# Altium PCB PCB_SAMARUC_7.PcbDoc (part 2 of 3)
Units mil, origin at the board's own origin, x right, y up, seen from the top; angles counter-clockwise.
Board outline 3000 x 2475 mil, 6 copper layers (Top (S1), GND1, PWR, S2, GND2, Bottom (S3)), stack 62.312 mil thick; 203 components, 120 nets, 721 pads, 351 vias.
Unrouted connection lines stored in the file: 139.
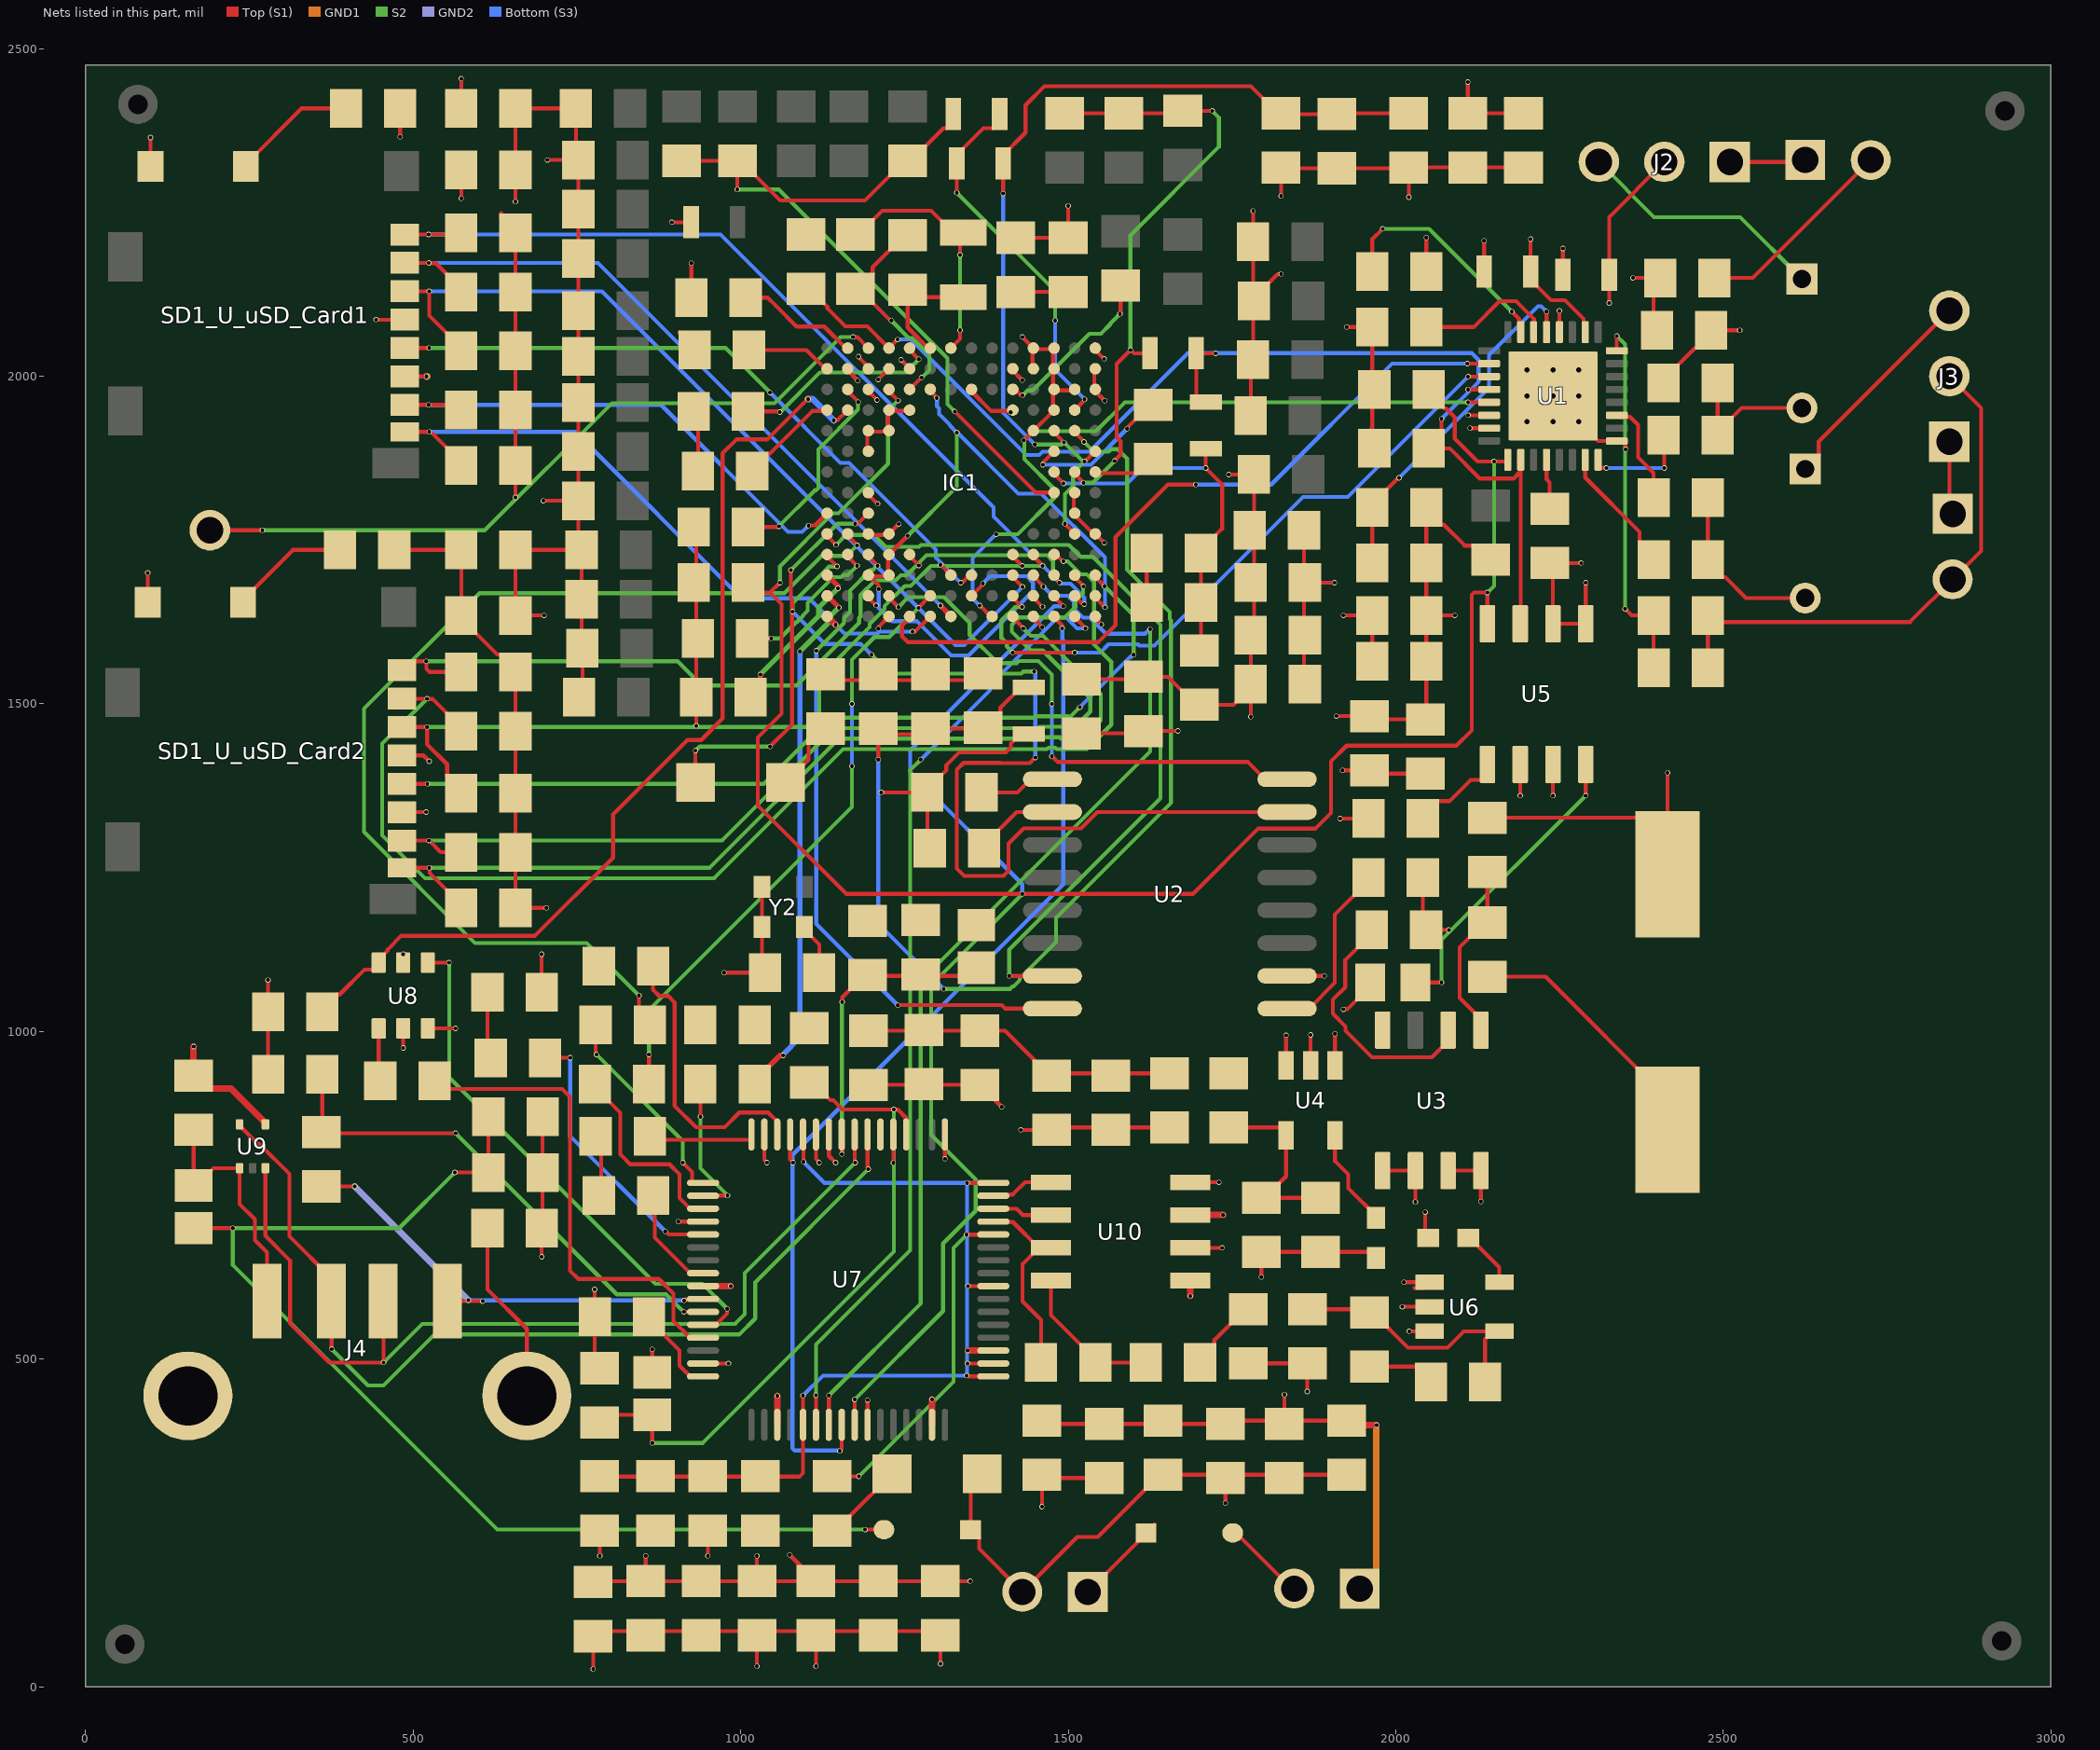
[diagram p6: the nets of this part, all layers, seen from the top]

## Via types
v1: diameter 8, hole 6, Top (S1) to S2, 114 vias
v2: diameter 8, hole 6, Top (S1) to GND1, 79 vias
v3: diameter 8, hole 6, Top (S1) to PWR, 68 vias
v4: diameter 8, hole 6, Top (S1) to Bottom (S3), 49 vias
v5: diameter 8, hole 6, S2 to Bottom (S3), 22 vias
v6: diameter 8, hole 6, PWR to Bottom (S3), 9 vias
v7: diameter 19.68, hole 7.87, Top (S1) to Bottom (S3), 9 vias
v8: diameter 8, hole 6, GND2 to Bottom (S3), 1 vias

## Nets (pads, with @x,y where several pads share a name; then routed paths per layer and width w, separated by ;. In a path a pad name is that pad's centre, name@x,y a point inside that pad or via, vN(x,y) a via of type N, cw(c..) or ccw(c..) an arc to the next point about the centre after c; other vN are vias at no path point) (continued)
GND: C3.1 C4.1 C7.1 C8.1 C11.1 C12_U_uSD_Card1.1 C12_U_uSD_Card2.1 C13_U_uSD_Card1.1 C13_U_uSD_Card2.1 C14.1 C15.1 C16.1 C17.1 C18.2 C19.1 C20.1 C22.1 C23.1 C24.1 C25.1 C26.1 C28.1 C29.1 C32.1 C33.1 C34.1 C37.1 C38.1 C39.1 C40.1 C41.1 C42.1 C47.1 C48.1 C49.1 C50.1 C51.1 C52.1 C53.1 C54.1 C55.1 C56.1 C57.1 C61.1 C62.1 C63.1 C64.1 C65.1 C66.1 C67.1 C68.1 C69.1 C70.1 C71.1 C72.1 C73.1 C74.1 C75.1 C76.1 C77.1 C78.1 C79.1 C80.1 C84.1 C85.1 C86.1 C87.1 C88.1 C89.1 C90.1 C91.1 C92.1 C93.1 C94.1 C95.1 C96.1 C97.1 C98.1 C99.1 C100.1 C101.1 C102.1 C103.1 FB2.1 FB8.2 IC1.A11 IC1.A12 IC1.A14 IC1.B2 IC1.B3 IC1.B11 IC1.B12 IC1.C8 IC1.C12 IC1.C13 IC1.D4 IC1.D5 IC1.D10 IC1.D12 IC1.E3 IC1.E4 IC1.E11 IC1.F3 IC1.H3 IC1.H13 IC1.J13 IC1.K3 IC1.K4 IC1.K14 IC1.L5 IC1.L10 IC1.M7 IC1.P1 IC1.P14 J4.4 P1.1 R6.1 R7.1 R8.1 R18.2 R22.2 R24.2 R26.1 R27.1 R30.1 R35.2 R43.2 R48.2 R51.2 SD1_U_uSD_Card1.6 SD1_U_uSD_Card1.10 SD1_U_uSD_Card2.6 SD1_U_uSD_Card2.10 U1.7 U1.28 U2.10 U3.4 U4.2 U5.1 U5.2 U5.6 U6.2 U7.1 U7.5 U7.10 U7.11 U7.13 U7.15 U7.25 U7.35 U7.47 U7.51 U8.2 U9.4 U10.5 U10.7 Y2.2 | length 10010.7
  Top (S1) w6: SD1_U_uSD_Card2.10@95,1655 v2(95,1700) ; SD1_U_uSD_Card1.10@99.33,2320 v2(99.33,2364.33) ; SD1_U_uSD_Card2.6@482.8,1334.72 483.07,1335 v2(520,1335) ; v2(485,975) U8.2@485,1004.8 ; SD1_U_uSD_Card1.6@487.13,1999.72 v2(520.59,1999.72) ; J4.4@552.8,588.62 v2(606.38,588.62) ; v2(656.34,2266.34) C13_U_uSD_Card1.1@656.34,2315 C12_U_uSD_Card1.1@656.34,2408.72 C64.1@748.66,2408.72 748.66,2333.66 C65.1@752.32,2330 ; v2(696.34,656.34) C90.1@696.34,700 697.68,701.34 C88.1@697.68,785 C87.1@697.68,870 ; R43.2@696.34,1060 v2(696.34,1117.94) ; v2(698.82,1810) C61.1@752.32,1810 ; v2(700,1635) C12_U_uSD_Card2.1@656.34,1635 C13_U_uSD_Card2.1@656.34,1735 C50.1@757.32,1735 ; v2(705,2330) C65.1@752.32,2330 ; C52.1@753.66,1510 758.66,1515 C51.1@758.66,1585 757.32,1586.34 C54.1@757.32,1660 C50.1@757.32,1735 ; C91.1@760.08,161.34 C85.1@855,161.34 ; v2(777.32,606.47) 777.32,494.02 C100.1@785,486.34 ; v2(785,200) C92.1@785,238.66 ; v2(855,200) C85.1@855,161.34 ; v2(895,2235) FB8.2@924.57,2235 ; R26.1@925,2120 v2(925,2172.6) ; R30.1@928.66,1946.34 935,1940 R27.1@935,1855 ; R51.2@938.66,1010 R51.2@938.66,1014.92 ; v2(950,200) C94.1@950,238.66 ; v2(1025,200) C99.1@1025,161.34 ; C95.1@1030,238.66 C95.1@1038.34,230.33 ; U7.15@1036.26,842.91 1036.26,804.28 1040,800.54 v2(1040,800) ; v2(1075,201.34) C98.1@1115,161.34 ; U7.13@1075.63,842.91 1075.63,804.91 1080,800.54 v2(1080,800) ; C101.1@1083.39,983.39 C101.1@1105,1005 ; Y2.2@1097.48,1159.49 1097.48,1155.55 1120,1133.03 C84.1@1120,1090 C84.1@1120,1085.08 ; U7.11@1115,842.91 1115,805.54 1120,800.54 v2(1120,800) ; R35.2@1130,1536.34 C32.1@1195,1536.34 ; U7.10@1134.68,842.91 1134.68,810.32 v2(1145,800) ; IC1.B2@1162.05,2009.96 v2(1178.77,1993.24) ; C73.1@1168.47,1022.94 1190.08,1001.34 C73.1@1195,1001.34 C71.1@1365,1001.34 ; v2(1180,2030) 1180,2029.46 1193.54,2015.92 IC1.B3@1193.54,2009.96 ; IC1.H3@1193.54,1820.98 v2(1209.2,1805.33) ; IC1.F3@1193.54,1883.98 1193.54,1915.47 1225.04,1915.47 1225.04,1946.97 1256.1,1946.97 1256.54,1946.54 IC1.D5@1256.54,1946.97 ; C32.1@1195,1547.32 C32.1@1195,1538.66 ; IC1.K3@1195,1759.49 1196.5,1757.99 1225,1757.99 IC1.K4@1226.5,1759.49 v2(1241.45,1774.44) ; C32.1@1205,1536.34 C32.1@1201.34,1536.34 ; C32.1@1220,1536.34 1310,1536.34 1315,1531.34 1320,1536.34 1368.66,1536.34 1370,1537.68 C34.1@1390,1537.68 ; v2(1233.11,799.71) U7.5@1233.11,842.91 ; IC1.L5@1257.99,1727.99 1257.99,1725.58 1271.86,1711.71 v2(1271.86,1711.17) 1272.4,1711.17 v2@1274.09,1712.86 ; v2(1305,1712.48) IC1.M7@1320.98,1696.5 ; v2(1311.85,805.84) U7.1@1311.85,842.91 ; v2(1350.5,161.34) C96.1@1305,161.34 C97.1@1210,161.34 C98.1@1115,161.34 ; IC1.C8@1351.02,1978.46 1382.52,1946.97 IC1.D10@1412.06,1946.97 ; C71.1@1371.34,1007.68 C71.1@1365,1001.34 ; C11.1@1371.34,1280 1371.34,1284.92 1421.42,1335 U2.10@1475.87,1335 ; v2(1412.06,1945.01) IC1.D10@1414.02,1946.97 ; IC1.L10@1414.02,1726.5 v2(1430,1710.51) ; C78.1@1420,2128.66 C75.1@1500,2128.66 ; v2(1430,2059.92) IC1.A11@1446.97,2042.95 ; v2(1432.18,1902.18) IC1.E11@1446.97,1916.97 ; IC1.E11@1445.51,1915.47 1477.01,1946.97 IC1.C12@1477.01,1978.46 ; IC1.B11@1445.51,2009.96 1445.51,2041.46 1477.01,2041.46 IC1.C12@1477.01,1978.46 ; C28.1@1460,406.34 1465,401.34 C15.1@1555,401.34 C25.1@1740,401.34 1745,406.34 C20.1@1830,406.34 ; IC1.H13@1508.5,1820.98 1508.5,1789.49 1540,1757.99 IC1.K14@1540,1755 ; IC1.C13@1508.5,1978.46 IC1.C12@1477.01,1978.46 ; C39.1@1520,1537.68 1611.34,1537.68 C38.1@1615,1541.34 1652.4,1541.34 1695.08,1498.66 C40.1@1700,1498.66 1752.24,1498.66 C37.1@1778.66,1525.08 ; IC1.P14@1540,1632.01 1540.54,1632.01 1550.64,1621.91 v2(1550.64,1621.37) ; IC1.A14@1540,2041.46 v2(1554.88,2026.57) ; IC1.K14@1541.46,1759.49 v2(1555,1745.94) ; C41.1@1620,1655 C42.1@1620,1730 ; C23.1@1655,936.34 1478.66,936.34 C22.1@1475,932.68 1470.08,932.68 1448.47,954.28 1448.47,956.39 1403.53,1001.34 C71.1@1365,1001.34 ; v2(1745,1850) C63.1@1783.66,1850 1783.66,1610 C74.1@1778.66,1605 C37.1@1778.66,1530 C37.1@1778.66,1525.08 ; C29.1@1775,493.66 R24.2@1865,493.66 v2(1865,450.75) ; v2(1778.66,1480.55) C37.1@1778.66,1525.08 ; C67.1@1778.66,1940 1778.66,2021.34 C68.1@1782.32,2025 C70.1@1782.32,2205 v2(1782.32,2252.32) ; C69.1@1783.66,2115 1783.66,2119.92 1819.7,2155.96 1824.62,2155.96 v2(1825,2156.34) ; v2(1825,2275) C55.1@1825,2318.66 1826.34,2317.32 C57.1@1910,2317.32 2018.66,2317.32 C56.1@2020,2318.66 ; C20.1@1830,401.34 C20.1@1830,406.34 ; v2(1830,446.23) C20.1@1830,406.34 ; U4.2@1870,948.15 v2(1870,995) ; v2(1909.36,1481.34) C17.1@1960,1481.34 1965,1476.34 C16.1@2045,1476.34 2046.77,1478.11 C4.1@2046.77,1565 C3.1@2046.77,1635 ; v2(1915,1325) C18.2@1958.66,1325 ; C26.1@1925,406.34 C20.1@1830,406.34 ; P1.1@1945,150 P1.1@1967.53,172.53 ; v2(2010,580) U6.2@2051.85,580 ; v2(2020,2273.24) C56.1@2020,2318.66 ; C7.1@2046.77,1800 C7.1@2046.77,1795.08 ; R6.1@2046.77,2160 v2(2046.77,2211.77) ; v2(2090,1635) C3.1@2046.77,1635 ; v2(2113.34,1920.79) U1.7@2142.56,1920.79 ; R18.2@2140,1083.66 2228.7,1083.66 2415,897.36 C14.1@2415,850.12 ; R8.1@2150,1715 R8.1@2145,1720 2123.39,1741.61 2105.17,1741.61 2073.3,1773.47 2068.38,1773.47 C7.1@2046.77,1795.08 ; v2(2190,1360) U5.6@2190,1407.72 ; C79.1@2195,2318.66 C80.1@2110,2318.66 C56.1@2020,2318.66 ; U1.28@2249.84,2067.44 v2(2249.84,2099.84) ; FB2.1@2255,2155 v2(2255,2195) ; v2(2283.08,1715) R7.1@2235,1715 2240,1710 U5.2@2240,1622.28 U5.1@2290,1622.28 v2(2290,1685) ; C61.1@752.32,1810 752.32,1740 C50.1@757.32,1735 ; C61.1@752.32,1810 C53.1@752.32,1885 C62.1@752.32,1960 C49.1@752.32,2030 C48.1@752.32,2100 C47.1@752.32,2180 C66.1@752.32,2255 C65.1@752.32,2330 ; C85.1@855,161.34 C89.1@940,161.34 C99.1@1025,161.34 ; C99.1@1025,161.34 C98.1@1115,161.34 ; C32.1@1195,1536.34 C32.1@1195,1538.66 ; C32.1@1195,1536.34 1195,1530 C32.1@1201.34,1536.34 ; C32.1@1195,1536.34 C32.1@1201.34,1536.34 ; C32.1@1195,1538.66 1203.66,1538.66 C32.1@1201.34,1536.34 ; C3.1@2046.77,1635 C8.1@2046.77,1715 C7.1@2046.77,1795.08
  Top (S1) w10: v2(165,977.05) C86.1@165,932.68 184.61,913.07 222.05,913.07 274.69,860.43 U9.4@274.69,858.46 ; U7.25@942.76,611.61 v2(984.81,611.61) ; U7.35@1055.94,400 1055.94,404.92 1056.02,405 v2(1056.02,443.98) ; IC1.P1@1132.01,1633.5 v2(1145,1620.51) ; U7.47@1292.17,400 v2(1292.17,438.76) ; v2(1346.81,513.19) U7.51@1385.67,513.19 ; v2(1686.3,596.3) U10.5@1686.3,620 ; U10.7@1686.3,720 v2(1736.54,720) ; C26.1@1925,406.34 1931.85,399.49 v3(1970.51,399.49)
  GND1 w10: v2(520.59,1999.72) v2@521.8,1999.72 ; P1.1@1945,150 1970.51,175.51 v3(1970.51,399.49)
GND_AIC: C1.1 C2.1 C9.1 C10.1 FB2.2 J2.2 J3.2 P3.2 P4.2 R5.2 U1.17 U1.33 | length 1661.3
  Top (S1) w6: v7(2279.37,1930.63) 2308.9,1901.1 2348.28,1901.1 2350.79,1898.59 2350.79,1888.94 v2(2351.17,1888.56) ; v2(2325.87,2111.72) FB2.2@2325.87,2155 2325.87,2242.91 J2.2@2410,2327.05 ; R5.2@2408.66,1990 2408.66,1994.92 2457.21,2043.47 2459.73,2043.47 2481.34,2065.08 C1.1@2481.34,2070 v2(2525,2070) ; C10.1@2476.34,1555 C9.1@2476.34,1635 2486.39,1624.95 2784.95,1624.95 P4.2@2850,1690 2893.51,1733.51 2893.51,1951.49 J3.2@2845,2000 ; C2.1@2476.34,2154.92 2476.34,2150 2545,2150 P3.2@2725,2330
  other v7: 2200.63,1930.63 2240,1930.63 2200.63,1970 2240,1970 2279.37,1970 2200.63,2009.37 2240,2009.37 2279.37,2009.37
I2C_SCL: IC1.C4 R2.1 R31.2 U1.9 U5.4 | length 2739.6
  Top (S1) w6: R31.2@1011.34,1685 1026.33,1670.01 1044.99,1670.01 ; v1(1060,1685.03) 1044.99,1670.01 ; IC1.C4@1225.04,1978.46 v1(1240.54,1962.97) ; R2.1@2058.72,1966.36 2074.08,1951 2076.63,1951 2090,1937.63 2090,1905 2125,1870 2168.59,1870 U1.9@2171.1,1872.51 ; U5.4@2140,1622.28 v1(2140,1670) 2119.7,1670 2116.19,1666.49 2116.19,1459.7 2092.75,1436.27 1925.09,1436.27 1901.29,1412.47 1901.29,1333.61 1877.5,1309.81 1790.39,1309.81 1690.77,1210.19 1161.27,1210.19 1026.37,1345.09 1026.37,1448.85 1062.66,1485.14 1062.66,1652.34 1044.99,1670.01
  S2 w6: v1(1060,1685.03) 1060,1710 1141,1791 1149.44,1791 1225.04,1866.6 1225.04,1947.47 v1(1240.54,1962.97) ; v1(2140,1670) 2150,1680 v1(2150,1870)
I2C_SDA: IC1.A4 R3.1 R32.2 U1.10 U5.3 | length 1792.3
  Top (S1) w6: R32.2@1100,2133.66 1104.92,2133.66 1132.47,2106.11 1132.47,2103.67 1160.14,2076 1193.45,2076 1225.02,2044.43 IC1.A4@1225.02,2041.48 ; IC1.A4@1226.5,2042.95 v4(1239.72,2056.18) ; v6(2070,1935) 2070,1910 R3.1@2050,1890 2082.37,1890 2128.37,1844 2179.89,1844 2188.28,1852.39 ; U1.10@2188.28,1867.54 2188.28,1870.05 2190.79,1867.54 2190.79,1623.07 U5.3@2190,1622.28
  Bottom (S3) w6: v4(1239.72,2056.18) 1259.86,2056.18 1436.07,1879.97 1455.66,1879.97 1460.68,1885 1532.37,1885 1682.59,2035.21 2115.93,2035.21 2126.47,2024.67 2126.47,1991.47 v6(2070,1935)
  other v3: 2070,1935
NetC5_1: C5.1 U1.15 | length 195.8
  Top (S1) w6: U1.15@2289.21,1872.56 2289.21,1845.35 2372.06,1762.51 2372.06,1741.61 C5.1@2393.66,1720
NetC5_2: C5.2 C30.2 R4.2 | length 270.7
  Top (S1) w6: R4.2@2476.34,1815 C5.2@2476.34,1720 2476.34,1715.08 2497.94,1693.47 2502.87,1693.47 2534.76,1661.57 C30.2@2625,1661.57
NetC6_1: C6.1 U1.16 | length 167.4
  Top (S1) w6: U1.16@2308.9,1872.56 2308.9,1862.89 2311.41,1860.38 2321.07,1860.38 v4(2321.46,1860) ; C6.1@2408.66,1905.08 C6.1@2408.66,1910 2410,1908.66 v6(2410,1860)
  Bottom (S3) w6: v4(2321.46,1860) v6(2410,1860)
  other v3: 2410,1860
NetC6_2: C6.2 C31.2 R5.1 | length 223.8
  Top (S1) w6: C6.2@2491.34,1910 C6.2@2491.34,1914.92 ; R5.1@2491.34,1990 C6.2@2491.34,1914.92 ; C31.2@2620,1951.57 2527.99,1951.57 C6.2@2491.34,1914.92
NetC7_2: C7.2 C8.2 U1.29 | length 545.1
  Top (S1) w6: C8.2@1964.09,1715 1964.09,1804.92 2003.79,1844.62 2004.62,1844.62 v6(2005,1845) ; U1.29@2230.16,2067.44 v4(2230.16,2098.75)
  Bottom (S3) w6: v6(2005,1845) 2142.47,1982.47 2142.47,2032.47 2216.97,2106.97 2221.94,2106.97 v4(2230.16,2098.75)
  other v3: 2005,1845
NetC9_2: C9.2 C10.2 U1.24 | length 572
  Top (S1) w6: U1.24@2337.44,2038.9 v1(2337.44,2061.45) ; v1(2350,1645) 2360,1635 C9.2@2393.66,1635 C10.2@2393.66,1555
  S2 w6: v1(2337.44,2061.45) 2350,2048.89 v1(2350,1645)
NetC18_1: C18.1 U5.5 | length 144.4
  Top (S1) w6: C18.1@2041.34,1325 2041.34,1329.92 2062.94,1351.53 2081.74,1351.53 2114.4,1384.18 2131.19,1384.18 2140,1392.99 U5.5@2140,1407.72
NetC21_1: C21.1 R21.2 R22.1 U4.4 | length 293.3
  Top (S1) w6: R22.1@1745,853.66 1823.79,853.66 1832.6,844.85 U4.4@1832.6,841.85 1832.6,779.02 C21.1@1799.92,746.34 ; C21.1@1795,746.34 C21.1@1799.92,746.34 ; R21.2@1885,746.34 C21.1@1799.92,746.34
NetC27_1: C27.1 R23.2 R24.1 U6.4 | length 410.2
  Top (S1) w6: R24.1@1865,576.34 1955,576.34 C27.1@1960,571.34 1964.92,571.34 2018.47,517.79 2078.89,517.79 2103.7,542.6 U6.4@2148.31,542.6 ; R23.2@2136.34,465 2136.34,530.63 U6.4@2148.31,542.6 ; U6.4@2158.15,542.6 U6.4@2148.31,542.6
NetC30_1: C30.1 J3.3 | length 332.7
  Top (S1) w6: C30.1@2625,1858.43 2645.62,1879.05 2645.62,1900.62 J3.3@2845,2100
NetC31_1: C31.1 J2.3 | length 384
  S2 w6: J2.3@2310,2327.05 2394.34,2242.71 2525.72,2242.71 C31.1@2620,2148.43
NetC32_2: C32.2 C33.2 C34.2 FB3.2 IC1.E13 | length 1860.2
  Top (S1) w6: v4(1210,1415) C32.2@1210,1462.32 ; C32.2@1220,1453.66 1310,1453.66 C33.2@1315,1448.66 ; C33.2@1290,1462.32 1368.66,1462.32 C34.2@1370,1463.66 1374.92,1463.66 1396.53,1485.27 1396.53,1494.32 1427.2,1525 FB3.2@1440,1525 ; IC1.E13@1508.5,1915.47 1509.02,1915.47 1524.14,1900.35 v1(1524.14,1899.81)
  S2 w6: v5(1310,1065) 1411,1065 1415,1069 1416.63,1069 1426,1078.37 1426,1081 1481.31,1136.31 1481.31,1173.69 1657,1349.37 1657,1627.5 1655,1629.5 1655,1640 1590,1705 1590,1874.24 1575.41,1888.83 1566.2,1888.83 1562.06,1884.68 1539.27,1884.68 v1(1524.14,1899.81)
  Bottom (S3) w6: v4(1210,1415) 1210,1165 v5(1310,1065)
NetC35_1: C35.1 C36.1 IC1.C5 | length 343
  Top (S1) w6: v1(1230,2085) 1229.62,2085.38 1228.2,2085.38 C35.1@1179.92,2133.66 ; C36.1@1255,2215 1250.08,2215 1201.53,2166.45 1201.53,2155.27 C35.1@1179.92,2133.66 ; IC1.C5@1256.54,1978.48 v1(1276.17,1998.1) ; C35.1@1179.92,2133.66 C35.1@1175,2133.66 C35.1@1179.92,2133.66
  S2 w6: v1(1230,2085) 1256.42,2058.58 1262.04,2058.58 1288.08,2032.54 1288.08,2008.83 1283.83,2004.58 1283.2,2004.58 1276.71,1998.1 v1(1276.17,1998.1)
NetC35_2: C35.2 IC1.A7 Y1.2 | length 380.1
  Top (S1) w6: C35.2@1175,2216.34 1179.92,2216.34 1216.19,2252.61 1290.86,2252.61 1324.25,2219.21 Y1.2@1340,2219.21 1335,2214.21 v1(1335,2185) ; IC1.A7@1319.53,2041.5 1335,2056.97 v1(1335,2070)
  S2 w6: v1(1335,2070) v1(1335,2185)
NetC36_2: C36.2 IC1.A6 Y1.1 | length 194.3
  Top (S1) w6: IC1.A6@1288.03,2041.46 1255,2074.49 C36.2@1255,2132.32 1266.54,2120.79 Y1.1@1340,2120.79
NetC40_2: C40.2 C41.2 C42.2 FB4.2 IC1.G12 | length 582.5
  Top (S1) w6: IC1.G12@1477.01,1852.48 v4(1493.05,1836.44) ; C40.2@1700,1581.34 1702.68,1584.02 C41.2@1702.68,1655 C42.2@1702.68,1730 1702.68,1734.92 1735,1767.24 1735,1835 v4(1710,1860) FB4.2@1710,1889.57
  Bottom (S3) w6: v4(1493.05,1836.44) 1590,1836.44 1613.55,1860 v4(1710,1860)
NetC44_2: C44.2 C45.2 C46.2 FB5.2 IC1.H12 | length 1260.5
  Top (S1) w6: C46.2@910,2328.66 C45.2@995,2328.66 ; v1(995,2285) C45.2@995,2328.66 ; FB5.2@1324.57,2400 1324.57,2387.2 1315.76,2378.39 1309.65,2378.39 1259.92,2328.66 C44.2@1255,2328.66 1250.08,2328.66 1189.73,2268.31 1060.27,2268.31 999.92,2328.66 C45.2@995,2328.66 ; v1(1327.04,1946.1) 1450.67,1822.48 1475.51,1822.48 IC1.H12@1477.01,1820.98
  S2 w6: v1(995,2285) 1058.25,2285 1315.81,2027.44 1315.81,1957.34 v1(1327.04,1946.1)
NetC55_2: C55.2 C56.2 C57.2 FB6.2 IC1.E12 IC1.F14 IC1.K13 | length 1430.5
  Top (S1) w6: v4(1400.87,2278.82) FB6.2@1400.87,2325 1400.87,2337.8 1434.88,2371.81 1434.88,2413.74 1463.75,2442.61 1778.81,2442.61 1821.42,2400 C57.2@1910,2400 1911.34,2401.34 C56.2@2020,2401.34 ; IC1.E12@1477.01,1915.47 v1(1493.54,1898.94) ; v1(1495,1775) 1495,1774.72 1508.5,1761.22 IC1.K13@1508.5,1757.99 ; v1(1525,1870) 1525.49,1870 1539.47,1883.98 IC1.F14@1540,1883.98
  S2 w6: v5(1449.03,1895.97) 1490.03,1895.97 1493,1898.94 v1(1493.54,1898.94) 1522.1,1870.38 1524.62,1870.38 v1(1525,1870) 1507.38,1852.38 1507.38,1832.39 1495,1820.01 v1(1495,1775)
  Bottom (S3) w6: v4(1400.87,2278.82) 1400.87,1944.13 v5(1449.03,1895.97)
NetC58_2: C58.2 C59.2 C60.2 FB7.2 IC1.G13 | length 949.6
  Top (S1) w6: C59.2@1495,2401.34 C60.2@1585,2401.34 1671.34,2401.34 C58.2@1675,2405 v1(1720,2405) ; IC1.G13@1508.5,1852.48 v1(1523.38,1837.6) ; v1(1570.81,1870.81) 1570.81,1871.12 1580,1880.31 1580,1900.58 1574,1906.58 1574,2019 v1(1595,2040) 1595.54,2040 1600.54,2035 FB7.2@1624.57,2035
  S2 w6: v1(1523.38,1837.6) 1537.6,1837.6 v1(1570.81,1870.81) ; v1(1595,2040) 1595,2215 1730,2350 1730,2395 v1(1720,2405)
NetC83_2: C83.2 IC1.C10 | length 261.6
  Top (S1) w6: IC1.C10@1416.53,1978.46 1420.14,1978.46 1427.22,1971.38 1429.99,1971.38 v1(1430.38,1971) ; v1(1579,2095) 1579,2095.54 1580,2096.54 C83.2@1580,2138.66
  S2 w6: v1(1430.38,1971) 1430.92,1971 1438.23,1978.31 1445.69,1978.31 1532.37,2065 1550,2065 1564.31,2079.31 1564.31,2080.31 v1(1579,2095)
NetC86_2: C86.2 FB9.1 J4.1 U9.1 | length 386.6
  Top (S1) w6: C86.2@165,850 FB9.1@165,765.01 168.96,765.01 195.49,791.54 U9.1@235.32,791.54 235.32,736.89 258.69,713.52 258.69,681.64 277.2,663.12 J4.1@277.2,588.62
NetC87_2: C87.2 C88.2 D3.2 FB9.2 | length 1787.6
  Top (S1) w6: FB9.2@165,700 v1(225,700) ; v1(563.88,785) C88.2@615,785 C87.2@615,870 ; v1(1190,240) D3.2@1218.86,240
  S2 w6: v1(563.88,785) 478.88,700 v1(225,700) 225,643.63 628.63,240 v1(1190,240)
NetC90_2: C90.2 J4.Shell | length 285.5
  Top (S1) w6: C90.2@613.66,700 613.66,606.37 673.66,546.37 J4.Shell@673.66,444.13 J4.Shell@670.25,447.54
NetC92_2: C92.2 C93.2 C94.2 C95.2 U7.12 U7.37 U7.49 U7.64 | length 1348.7
  Top (S1) w6: C92.2@810,321.01 1090,321.01 1095.32,326.33 U7.37@1095.32,400 v4(1095.32,444.68) ; U7.12@1095.32,842.91 1096.05,842.18 v4(1096.05,801.05) ; v6(1345,475) 1345.54,475 1346.72,473.82 U7.49@1385.67,473.82 ; v4(1345.76,769.09) U7.64@1385.67,769.09
  Bottom (S3) w6: v4(1095.32,444.68) 1125.63,475 v6(1345,475) 1345.76,475.76 v4(1345.76,769.09) 1128.01,769.09 v4(1096.05,801.05)
  other v4: 1345,475
NetC100_2: C100.2 C101.2 FB10.2 U7.4 | length 1029.7
  Top (S1) w6: C100.2@785,403.66 796.34,415 FB10.2@865,415 v1(865,372.21) ; C101.2@1105,922.32 1109.92,922.32 1137.07,895.17 1141.31,895.17 1155.43,881.06 v1(1233.94,881.06) 1234.33,880.67 1240.1,880.67 1252.06,868.71 1252.06,843.65 U7.4@1252.8,842.91
  S2 w6: v1(865,372.21) 942.21,372.21 1233.94,663.94 v1(1233.94,881.06)
NetC102_2: C102.2 C103.2 FB11.2 U7.9 | length 507.9
  Top (S1) w6: U7.9@1154.37,842.91 1154.53,842.76 1154.53,813.1 v1(1154.69,812.94) ; v1(1155,1045) 1155.38,1045.38 1155.38,1052.64 1188.91,1086.17 C103.2@1193.83,1086.17 1195,1085 FB11.2@1378.83,1085
  S2 w6: v1(1154.69,812.94) 1154.69,1044.69 v1(1155,1045)
NetD1_1: D1.1 P2.1 | length 146.6
  Top (S1) w6: P2.1@1530,145 1605.95,220.95 1605.95,223.39 1617.56,235 D1.1@1618.86,235 1620.16,235 1631.77,246.61 D1.1@1631.77,247.91
NetD1_2: D1.2 P1.2 | length 129.1
  Top (S1) w6: D1.2@1751.14,235 1756.22,235 1841.22,150 P1.2@1845,150
NetD2_1: D2.1 R35.1 | length 106.7
  Top (S1) w6: D2.1@1068.9,1380 1103.91,1415.01 1103.91,1440.72 1116.86,1453.66 R35.1@1130,1453.66
NetD2_2: D2.2 IC1.J3 | length 602.5
  Top (S1) w6: D2.2@931.1,1380 v1(931.1,1428.9) ; v1(1045,1435) 1078.66,1468.66 1078.66,1658.96 1076.81,1660.81 v1(1076.81,1704.19) ; v1(1175,1775) 1175.38,1775.38 1179.4,1775.38 1193.5,1789.49 IC1.J3@1194.79,1789.49
  S2 w6: v1(931.1,1428.9) 931.64,1428.9 937.75,1435 v1(1045,1435) ; v1(1076.81,1704.19) 1147.63,1775 v1(1175,1775)
NetD4_1: D4.1 R50.2 | length 127
  Top (S1) w6: R50.2@1140,238.66 1144.92,238.66 1166.53,260.27 1166.53,260.43 D4.1@1231.1,325
NetIC1_A2: IC1.A2 R26.2 | length 187
  Top (S1) w6: R26.2@1007.68,2120 1041.28,2120 1053.19,2108.1 1053.19,2107.96 1085.32,2075.83 1127.68,2075.83 IC1.A2@1162.05,2041.46
NetIC1_A3: IC1.A3 J1.1 | length 1135.1
  Top (S1) w6: J1.1@190,1765 v4(270,1765) ; v1(1171.57,2060) 1171.95,2059.62 1178.34,2059.62 1193.54,2044.41 IC1.A3@1193.54,2041.46
  S2 w6: v4(270,1765) 609.43,1765 803.43,1959 1051.63,1959 1152.63,2060 v1(1171.57,2060)
NetIC1_A5: IC1.A5 R30.2 | length 316.7
  Top (S1) w6: R30.2@1011.34,1946.34 1058.12,1946.34 1059.23,1945.23 v1(1059.77,1945.23) ; IC1.A5@1256.46,2041.46 1256.54,2041.46 v1(1272.08,2025.92)
  S2 w6: v1(1059.77,1945.23) 1060.31,1945.23 1060.7,1945.61 1060.87,1945.61 1121.08,2005.83 1251.99,2005.83 v1(1272.08,2025.92)
NetIC1_B1: IC1.B1 R34.2 | length 165.8
  Top (S1) w6: R34.2@1034.28,2013.47 1012.68,2035.08 R34.2@1012.68,2040 1100.51,2040 IC1.B1@1130.55,2009.96
NetIC1_C2: IC1.C2 R33.2 | length 313.5
  Top (S1) w6: R33.2@1011.34,1770 1056.83,1770 1057.91,1771.08 v1(1058.45,1771.08) ; IC1.C2@1162.05,1978.46 1162.23,1978.46 1179.66,1961.03 v1(1179.66,1960.49)
  S2 w6: v1(1058.45,1771.08) 1113.37,1826 1115.02,1826 1118.54,1829.51 1118.54,1888.54 1179.28,1949.28 1179.28,1960.11 v1(1179.66,1960.49)
NetIC1_C6: IC1.C6 IC1.L4 IC1.M3 IC1.M4 IC1.N8 IC1.N14 | length 1267.6
  Top (S1) w6: IC1.M3@1193.54,1695 1225.04,1695 IC1.L4@1225.04,1726.5 ; IC1.M3@1195,1696.5 1210.31,1681.19 1210.31,1675.84 v4(1210.69,1675.46) ; IC1.L4@1226.5,1727.99 v1(1255,1756.5) ; IC1.C6@1288.03,1978.46 1288.57,1978.46 1299.36,1967.68 v4(1299.36,1967.14) ; IC1.N8@1351.02,1663.5 1369.62,1682.1 1369.62,1683.45 v4(1370,1683.84) ; IC1.N14@1540,1663.5 v4(1556.18,1647.33)